# Altium PCB pcb_for_doc.PcbDoc
Units mm, origin at the board's own origin, x right, y up, seen from the top; angles counter-clockwise.
Board outline 55 x 115 mm, 2 copper layers (Top Layer, Bottom Layer), stack 3.071 mm thick; 39 components, 0 nets, 99 pads, 21 vias.
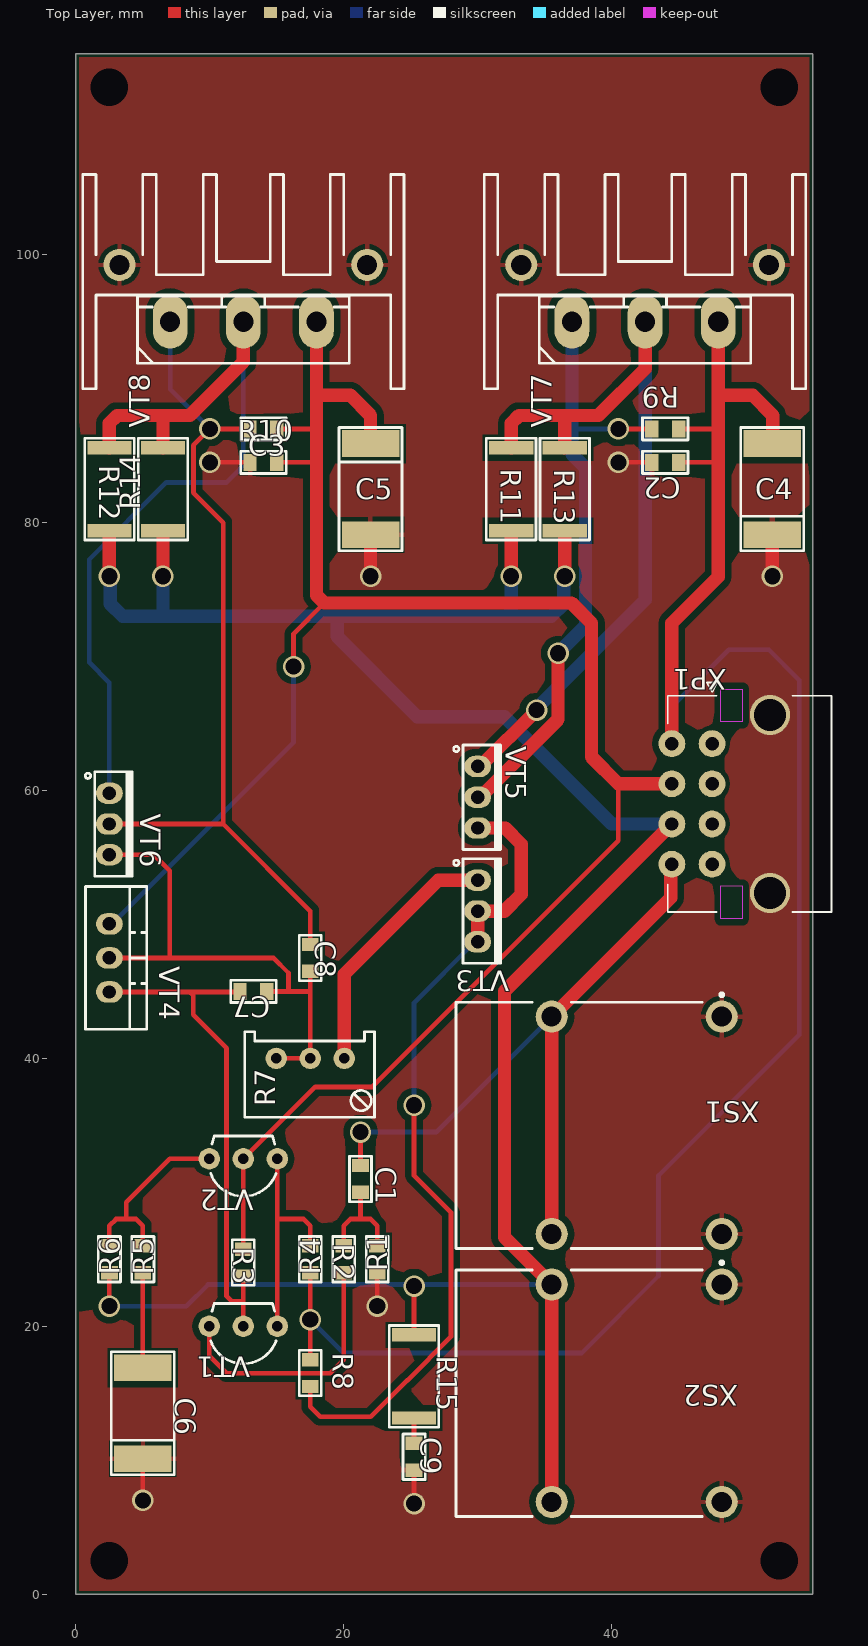
[diagram p0: Top Layer view]
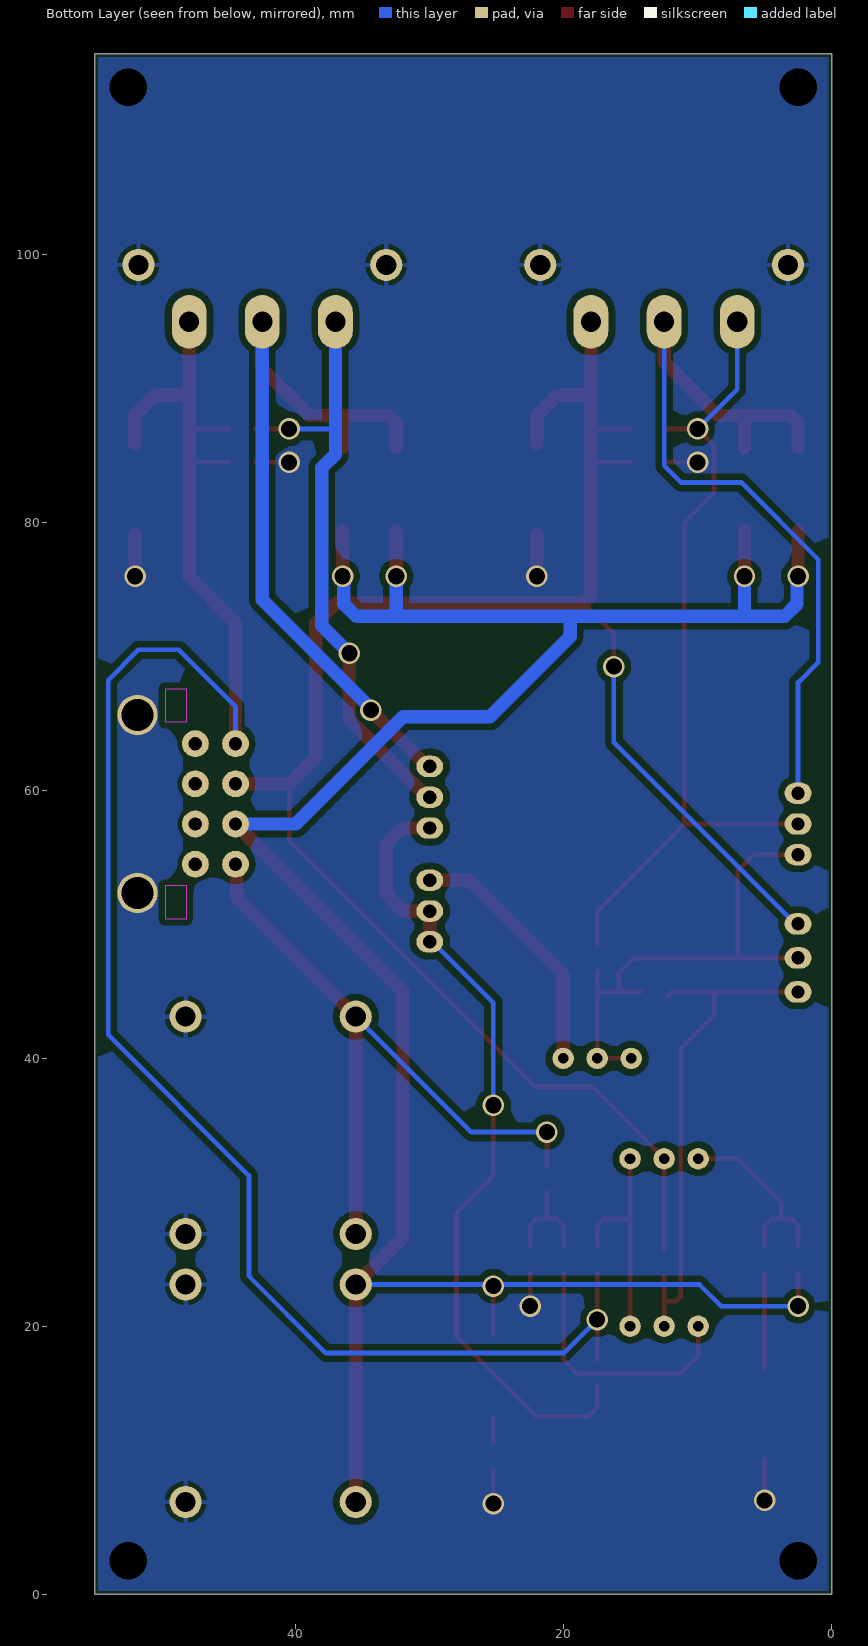
[diagram p1: Bottom Layer view, seen from below]

## Layer stack, top to bottom
Top Solder: solder mask 0.0102, Solder Resist, Dk 3.5
Top Layer: signal copper 0.0356
Dielectric 1: dielectric 3, FR-4, Dk 4.8
Bottom Layer: signal copper 0.0356
Bottom Solder: solder mask 0.0102, Solder Resist, Dk 3.5

## Board outline
0,0 0,115 55,115 55,0

## Design rules (kind name [scope] priority, off if disabled: settings)
Clearance [All] p1: gap=0.254 ignorepadtopadclearanceinfootprint=FALSE except(0: Arc-Hole Track-Hole SMDPad-Hole THPad-Hole Via-Hole Fill-Hole Poly-Hole Region-Hole Text-Hole)
PolygonConnect [All] p1: connectstyle=Relief reliefconductorwidth=0.254 reliefentries=4 polygonreliefangle="90 Angle" airgapwidth=0.254
RoutingVias [All] p1: holewidth=0.711 width=1.27 viastyle="Through Hole" minholewidth=0.711 minwidth=1.27 maxholewidth=0.711 maxwidth=1.27
SolderMaskExpansion [All] p1: expansion=0.102 istentingtop=FALSE
Width [All] p1: maxlimit=0.254 minlimit=0.254 preferedwidth=0.254
30 further rules are at their usual default settings.

## Components (designator, comment, footprint, x,y, rotation, side; value= is the part's Value field where it differs from the comment)
C1 "Capacitor" "CAP: 0805" 21.25,31 r270 top
C2 "Capacitor" "CAP: 0805" 44,84.5 r0 top
C3 "Capacitor" "CAP: 0805" 14,84.5 r180 top
C4 "Capactor polar" "CAP: TANTAL-D" 52,82.5 r90 top
C5 "Capactor polar" "CAP: TANTAL-D" 22,82.5 r270 top
C6 "Capactor polar" "CAP: TANTAL-D" 5,13.5 r90 top
C7 "Capacitor" "CAP: 0805" 13.25,45 r0 top
C8 "Capacitor" "CAP: 0805" 17.5,47.5 r90 top
C9 "Capacitor" "CAP: 0805" 25.25,10.25 r270 top
R1 "Resistor" "RES: 0805" 22.5,25 r270 top
R2 "Resistor" "RES: 0805" 20,25 r270 top
R3 "Resistor" "RES: 0805" 12.5,24.75 r90 top
R4 "Resistor" "RES: 0805" 17.5,25 r90 top
R5 "Resistor" "RES: 0805" 5,25 r270 top
R6 "Resistor" "RES: 0805" 2.5,25 r270 top
R7 "POT" POT_3296W 17.5,40 r180 top
R8 "Resistor" "RES: 0805" 17.5,16.5 r270 top
R9 "Resistor" "RES: 0805" 44,87 r0 top
R10 "Resistor" "RES: 0805" 14,87 r0 top
R11 "Resistor" "RES: 2512" 32.5,82.5 r270 top
R12 "Resistor" "RES: 2512" 2.5,82.5 r90 top
R13 "Resistor" "RES: 2512" 36.5,82.5 r270 top
R14 "Resistor" "RES: 2512" 6.5,82.5 r90 top
R15 "Resistor" "RES: 2512" 25.25,16.25 r270 top
VT1 "Transistor_PNP" TO92_3FB 12.5,20 r180 top
VT2 "Transistor_PNP" TO92_3FB 12.5,32.5 r180 top
VT3 "BD139G" TO126_3 30,51 r270 top
VT4 "BD139G" TO220_3 2.5,47.5 r270 top
VT5 "BD139G" TO126_3 30,59.5 r270 top
VT6 "Transistor_PNP" TO126_3 2.5,57.5 r270 top
VT7 "Transistor_PNP" TO247_3 42.5,95 r0 top
VT8 "BD139G" TO247_3 12.5,95 r0 top
XP1 "CONN" MOLEX_430450821 47.5,63.5 r90 top
XS1 "Audio" FP-NMJ4HFD2-MFG 45,35 r0 top
XS2 "Audio" FP-NMJ4HFD2-MFG 45,15 r0 top
ZBOAS216587106 "Слой 1" "BOASVIEWlayer:Top Layer:2:1:1:1" 55,2212.5 r0 top (schematic designator fewf)
ZBOAS767796161 "Comment" "BOASVIEWside:Вид платы слева:2:0:0:0" 195,2442.5 r0 top
ZBOAS925187106 "Слой 2" "BOASVIEWlayer:Bottom Layer:2:-2:32:1" 235,2212.5 r180 top (schematic designator fewf)
ZBOAS1584698425 "Comment" "BOASVIEWdrill:Таблица отверстий:0:0:0:0" 400,2500 r0 top

## Footprints (in the part's own frame and the unit in brackets; to place one, negate y for a bottom-side part, rotate by r counter-clockwise, add the part's x,y. Pads: shape width x height; smd on the part's side, far side on the other; paste and mask are expansions set on the pad)
"BOASVIEWdrill:Таблица отверстий:0:0:0:0" [mm]
"BOASVIEWlayer:Bottom Layer:2:-2:32:1" [mm]
"BOASVIEWlayer:Top Layer:2:1:1:1" [mm]
"BOASVIEWside:Вид платы слева:2:0:0:0" [mm]
"CAP: 0805" [mm] "CAP, POLYESTER, 10X5.5mm pitch: 7.6mm"
  rect 1x1.25 smd: 1(-1,0) 2(1,0)
  silkscreen extent -1.7,-0.82 1.7,0.82, body extent -1,-0.62 1,0.63, height 0.78
"CAP: TANTAL-D" [mm] "Cap Elec, D12.0X25.0H pitch: 5.0mm, RB.2/.5"
  rect 2x4.3 smd: 1(-3.4,0) 2(3.4,0)
  silkscreen extent -4.6,-2.35 4.6,2.35, body extent -3.7,-2.22 3.7,2.23, height 3.01
FP-NMJ4HFD2-MFG [mm]
  round 2.4 hole 1.5: 1(-9.475,-8.115) 1(-9.475,8.115) 2(3.225,-8.115) 2(3.225,8.115)
  silkscreen extent -16.63,-9.2 3.35,9.87, body extent -16.73,-9.3 16.73,9.3, height 0.25
MOLEX_430450821 [mm]
  round 3 hole 2.4 mask+0.076: 1(-11.15,-4.32) 1(2.15,-4.32)
  round 2 hole 1: 1(-9,3) 2(-9,0) 3(-6,3) 4(-6,0) 5(-3,3) 6(-3,0) 7(0,3) 8(0,0)
  Keep-Out Layer region: 4.075,-2.26 1.625,-2.26 1.625,-0.66 4.075,-0.66
  Keep-Out Layer region: -10.625,-2.26 -13.075,-2.26 -13.075,-0.66 -10.625,-0.66
  silkscreen extent -12.57,-8.92 4.57,3.32, body extent -12.62,-8.92 3.58,3.32, height 9.27
POT_3296W [mm] "POT, TRIM, 10.0X5.0mm, pitch: 2.5mm 3299W 3296W S64W"
  round 1.6 hole 0.8: 1(-2.54,0) 2(0,0) 3(2.54,0)
  silkscreen extent -4.8,-2 4.9,4.4, body extent -4.73,-1.85 4.8,4.25, height 11.56
"RES: 0805" [mm] "RESISTOR 1/8 WATT, AXIAL0.25"
  rect 1x1.25 smd: 1(-1,0) 2(1,0)
  silkscreen extent -1.7,-0.82 1.7,0.82, body extent -1,-0.6 1,0.6, height 0.44
"RES: 2512" [mm]
  rect 1x3.3 smd: 1(-3.1,0) 2(3.1,0)
  silkscreen extent -3.8,-1.85 3.8,1.85, body extent -3.18,-1.6 3.18,1.6, height 0.52
TO92_3FB [mm] "TO-92 formed leads, TO-226, SOT54A"
  round 1.6 hole 0.8: 1(-2.54,0) 2(0,0) 3(2.54,0)
  silkscreen extent -2.44,-1.7 2.44,2.8, body extent -2.75,-1.85 2.75,2.5, height 8.2
TO126_3 [mm] "TO126, TO-126, SOT32 (PHIPLIPS), pitch: 2.3mm, 8X3mm"
  oval 1.6x2 hole 1: 1(-2.3,0) 2(0,0) 3(2.3,0)
  silkscreen extent -3.9,-1.8 3.9,1.7, body extent -3.8,-1 3.8,1.55, height 13.19
TO220_3 [mm] "TO-220 3 LEAD, TO-262, pitch: 2.54mm  10x4.5mm"
  oval 1.6x2 hole 1: 1(-2.54,0) 2(0,0) 3(2.54,0)
  silkscreen extent -5.33,-1.78 5.33,2.79, body extent -5.2,-1.85 5.2,2.65, height 19
TO247_3 [mm] "TO247, TO-247, TO-3P pitch: 5.5mm 16x5mm, TO-218"
  oval 2.6x4 hole 1.5: 1(5.461,0) 2(0,0) 3(-5.461,0)
  round 2.4 hole 1.5: 4(-9.25,4.25) 4(9.25,4.25)
  silkscreen extent -12,-5 12,11, body extent -12,-5 12,11, height 25

## Part data
R1 R2 R3 R4 R5 R6 R8 R9 R10 R11 R12 R13 R14 R15: Case Code (Imperial)=2512, Case Code (Metric)=6432, Max Operating Temperature=125°C, Max Power Dissipation=1W, Min Operating Temperature=-55°C, Package Quantity=1, Resistance=51R, Resistor Type="Thick Film", Temperature Coefficient=200ppm/°C, Tolerance=5%, Voltage Rating (DC)=200V, Case/Package=2512, Height=0.028inch, Lead Free="Lead Free", Length=0.248inch, Mount="Surface Mount", Number of Terminations=2, Packaging="Tape and Reel", Power Rating=1W, RoHS Compliant=Yes, Series=MCR, Size Code=2512, Width=0.126inch
VT3 VT4 VT5 VT8: library part Transistor_NPN, Case/Package=TO-225, Collector Base Voltage (VCBO)=80V, Collector Emitter Saturation Voltage=500mV, Current Rating=1.5A, Emitter Base Voltage (VEBO)=5V, Manufacturer Lifecycle Status=ACTIVE, Max Junction Temperature (Tj)=150°C, Max Power Dissipation=1.25W, Min Operating Temperature=-55°C, Collector Emitter Breakdown Voltage=80V, Collector Emitter Voltage (VCEO)=80V, Contact Plating=Tin, Element Configuration=Single, Height=11.04mm, hFE Min=25, Lead Free="Lead Free", Length=7.74mm, Lifecycle Status=Production, Max Collector Current=1.5A, Max Operating Temperature=150°C, NexarPartId=354669, Number of Elements=1, Number of Pins=3, Packaging=Bulk, Polarity=NPN, Power Dissipation=1.25W, Radiation Hardening=No, REACH SVHC="No SVHC", RoHS=Compliant, Schedule B="8541290080, 8541290080|8541290080, 8541290080|8541290080|8541290080, 8541290080|8541290080|8541290080|8541290080", Voltage Rating (DC)=80V, Weight=4.535924g, Width=2.66mm

## Free pads (board coordinates)
  round 2.2 hole 2.8: 0(2.5,2.5) 0(2.5,112.5) 0(52.5,2.5) 0(52.5,112.5)

## Via types
v1: diameter 1.6, hole 1.2, Top Layer to Bottom Layer, 21 vias

## Nets (pads, with @x,y where several pads share a name; then routed paths per layer and width w, separated by ;. In a path a pad name is that pad's centre, name@x,y a point inside that pad or via, vN(x,y) a via of type N, cw(c..) or ccw(c..) an arc to the next point about the centre after c; other vN are vias at no path point)
pads on no net: C1.1 C1.2 C2.1 C2.2 C3.1 C3.2 C4.1 C4.2 C5.1 C5.2 C6.1 C6.2 C7.1 C7.2 C8.1 C8.2 C9.1 C9.2 R1.1 R1.2 R2.1 R2.2 R3.1 R3.2 R4.1 R4.2 R5.1 R5.2 R6.1 R6.2 R7.1 R7.2 R7.3 R8.1 R8.2 R9.1 R9.2 R10.1 R10.2 R11.1 R11.2 R12.1 R12.2 R13.1 R13.2 R14.1 R14.2 R15.1 R15.2 VT1.1 VT1.2 VT1.3 VT2.1 VT2.2 VT2.3 VT3.1 VT3.2 VT3.3 VT4.1 VT4.2 VT4.3 VT5.1 VT5.2 VT5.3 VT6.1 VT6.2 VT6.3 VT7.1 VT7.2 VT7.3 VT7.4 VT8.1 VT8.2 VT8.3 VT8.4 XP1.1 XP1.2 XP1.3 XP1.4 XP1.5 XP1.6 XP1.7 XP1.8 XS1.1 XS1.2 XS2.1 XS2.2
copper on no net: | length 1009.4
  Top Layer w0.35: v1(2.5,21.5) 2.5,24 ; 2.5,26 2.5,27.5 3,28 3.75,28 ; 2.5,44.96 2.51,44.95 8.5,44.95 ; 2.5,47.5 7,47.5 ; 2.5,55.2 5.8,55.2 7,54 7,47.5 ; 2.5,57.5 11,57.5 ; v1(5,7) 5,10.1 ; 5,16.9 5,24 ; 5,26 5,27.5 4.5,28 3.75,28 ; 9.96,20 9.96,17.79 11.25,16.5 19,16.5 20,17.5 20,24 ; 9.96,32.5 7,32.5 3.75,29.25 3.75,28 ; v1(10,84.5) 12.5,84.5 ; 12.25,44.625 11.925,44.95 8.5,44.95 ; 12.5,20 12.5,21.875 ; 12.5,23.75 12.5,21.875 ; 12.5,25.75 12.5,32.5 17.87,37.87 22.12,37.87 40.5,56.25 40.5,60.5 ; 12.5,87 v1(10,87) 8.775,85.775 8.775,82.225 11,80 11,57.5 ; 14.25,45 15.875,45 ; 14.96,40 17.5,40 17.5,45 ; 15,84.5 17.961,84.5 ; 15,87 17.961,87 ; 15.04,20 15.04,28 ; 15.04,32.5 15.04,28 ; v1(16.25,69.25) 16.25,71.703 18.547,74 ; 17.5,15.5 17.5,14 18.25,13.25 22,13.25 24.691,15.941 24.734,15.941 28,19.208 28,28.5 25.25,31.25 v1(25.25,36.5) ; 17.5,17.5 v1(17.5,20.5) 17.5,24 ; 17.5,26 17.5,27.5 17,28 15.04,28 ; 17.5,46.5 17.5,45 ; 17.5,48.5 17.5,51 11,57.5 ; 20,26 20,27.5 20.5,28 21.25,28 ; 21.25,30 21.25,28 ; 21.25,32 v1(21.25,34.5) ; v1(22.5,21.5) 22.5,24 ; 22.5,26 22.5,27.5 22,28 21.25,28 ; v1(25.25,6.75) 25.25,9.25 ; 25.25,11.25 25.25,13.15 ; 25.25,19.35 v1(25.25,23) ; v1(40.5,84.5) 43,84.5 ; v1(40.5,87) 43,87 ; 45,84.5 47.961,84.5 ; 45,87 47.961,87 ; 7,47.5 14.75,47.5 15.875,46.375 15.875,45 ; 8.5,44.95 8.75,44.7 8.75,43.25 11.25,40.75 11.25,36.25 11.25,22.25 11.625,21.875 12.5,21.875 ; 15.875,45 17.5,45
  Top Layer w1: v1(2.5,76) 2.5,79.4 ; 2.5,85.6 2.5,87.414 3.086,88 6.543,88 ; v1(6.5,76) 6.5,79.4 ; 6.5,85.6 6.5,87.957 6.543,88 ; 12.5,95 12.5,92 8.5,88 6.543,88 ; 17.961,95 17.961,89.5 ; 20.04,40 20.04,46.29 27.05,53.3 30,53.3 ; v1(22,76) 22,79.1 ; 22,85.9 22,88 20.5,89.5 17.961,89.5 ; 30,48.7 30,51 32,51 33.25,52.25 33.25,56 32.05,57.2 30,57.2 ; 30,61.8 30.2,61.8 v1(34.4,66) ; 30.2,59.5 36,65.3 v1(36,70.25) ; v1(32.5,76) 32.5,79.4 ; 32.5,85.6 32.5,87.414 33.086,88 39,88 42.5,91.5 42.5,95 ; 35.525,6.885 35.525,23.115 32,26.64 32,45 44.5,57.5 ; 35.525,26.885 35.525,43.115 44.41,52 44.41,54.41 44.5,54.5 ; v1(36.5,76) 36.5,79.4 ; 36.5,85.6 36.5,87.957 ; 44.5,60.5 40.5,60.5 38.5,62.5 38.5,72.5 37,74 18.547,74 17.961,74.586 17.961,89.5 ; 44.5,63.5 44.5,72.5 47.961,75.961 47.961,84.5 47.961,87 47.961,95 ; 48,89.5 50.539,89.5 52.039,88 52.039,85.9 ; v1(52,76) 52,79.1
  Bottom Layer w0.35: v1(2.5,21.5) 8.25,21.5 9.865,23.115 35.525,23.115 ; 2.5,50.04 2.7,50.04 16.25,63.59 v1(16.25,69.25) ; 2.5,59.8 2.5,68.064 1,69.564 1,77.25 6.75,83 11.25,83 12.5,84.25 12.5,95 ; 7.039,95 7.039,89.961 v1(10,87) ; v1(17.5,20.5) 20,18 37.75,18 43.5,23.75 43.5,31.25 54,41.75 54,68.25 51.75,70.5 48.75,70.5 44.5,66.25 44.5,63.5 ; v1(21.25,34.5) 26.91,34.5 35.525,43.115 ; v1(25.25,36.5) 25.25,44.15 29.8,48.7 30,48.7 ; 37.039,87.211 37.25,87 v1(40.5,87)
  Bottom Layer w1: v1(2.5,76) 2.577,75.923 2.577,73.923 3.5,73 6.5,73 ; v1(6.5,76) 6.5,73 ; v1(32.5,76) 32.5,73 ; v1(34.4,66) 34.4,66.15 42.5,74.25 42.5,95 ; v1(36,70.25) 38.05,72.3 38.05,84.107 37.039,85.118 37.039,87.211 37.039,95 ; v1(36.5,76) 36.423,75.923 36.423,73.923 35.5,73 32.5,73 ; 44.5,57.5 40,57.5 32,65.5 25.5,65.5 19.5,71.5 19.5,73 ; 6.5,73 19.5,73 ; 19.5,73 32.5,73

## Polygon pours and split planes (outlines as drawn)
no net on Top Layer "NONET_L01_P001" (solid, remove dead copper, pour order 1): 0,115 55,115 55,0 0,0
no net on Bottom Layer "NONET_L02_P002" (solid, remove dead copper, pour order 2): 0,115 55,115 55,0 0,0

## Silkscreen, mask and mechanical layers (free items; w line width, h text height)
Mechanical 1:
  the board outline again, w0.5
Mechanical 7:
  text "BOASFORMAT|А2|1|0|834645670|233858267|1000000000|2:1|" at 0,2540 h0
  text "ИУ4.11.ОЗ.ОЗ.21.73.16.002" at 85.052,2529.974 h7 r180
  text "DimV|0|-90551181|64960630|961614173|3937008|-47244094|2||||js12|False|True|False|False|2" at 165,2442.5 h0
  text "DimH|-43307087|0|64960630|961614173|-20669291|3937008|2||±0,3||js12|False|True|False|False|2" at 165,2442.5 h0
  text "DimH|-43307087|0|64960630|961614173|-21653543|3937008|2||||js12|True|False|False|False|2" at 165,2442.5 h0
  text "DimH|-2434204|0|79205859|961614174|-14245229|4133857|2||±0,3||js12|False|False|False|False|2" at 201.183,2442.5 h0
  text "DimH|-2362204|0|79133858|961417323|-1377952|4133858|2||±0,3||js12|False|False|False|False|2" at 201,2442 h0
  text "ИУ4.11.ОЗ.ОЗ.21.73.16.002" at 17.776,2363.059 h5 r90
  text "1. Общие допуски формы и расположения - 30893.2-2002 - Н.   / 2. Шаг координатной сетки О,25мм ГОСТ Р 51040-97   / 3. Плату изготовить комбинированным позитивным методом. / 4. Класс точности платы по ГОСТ Р 53429-2009 - 2.   / 5. Параметры отверстий платы приведеены в таблице 1.   / 6. Плата должна соответствовать ГОСТ 23752-79, группа жесткости - 1.   / 7. Финишное покрытие метализированных поверхностей меди по ГОСТ 9.301-86 толщиной не более 500мкм флюсом ЛТИ-120 ГОСТ 19250-73 и припоем ПОС-61 ГОСТ 21930-76.  / 8. Контроль функциональный ручным методом по ГОСТ 23752.1-92.  / 9. Остальные технические требования по ОСТ 4 ГО.О70.О14-75." at 404,2185 h5
  text "ИУ4.11.ОЗ.ОЗ.21.73.16.002" at 487.426,2170.037 h10
  text "Круглов В. С." at 400.262,2150 h4.5
  text "УМЗЧ на биполярных транзисторах" at 472.762,2150 h7
  text "СеливановК.В." at 400.332,2145.641 h4.5
  text "Плата печатная" at 472.762,2145 h5
  text "Стеклотекстолит FR4-T!Jl35 IPC-4/al/21" at 471.966,2128.097 h5
  text "МГТУ им. Н. Э. Баумана / Кафедра ИУ4 / Группа ИУ4-73Б" at 531.25,2125.974 h5
  text "SET2|Superlayer=MechanicalLayer7|Wsuperlayer=MechanicalLayer8|Layergrid=MechanicalLayer9|Werase=MechanicalLayer11|Layermark=MechanicalLayer12|Layerstamp=MechanicalLayer13|Gridline=0,18|Boardline=0,5|Contourpolygonline=0,3|PcbGridStep=1|PcbGridNumbering=False|PcbGridCleareanceAtView=0|PcbGridNumberEach=l5|PcbGridLineEach=l2|PcbGridCountSecondaryStrip=1|PcbGridEnabledStrip=True|PcbGridHorizontal90=False|PcbGridWhiteAreaBeforeText=True|PcbSignalGridEnabled=True|PcbSignalShowBukva=True|RealSignalLayerNames=False|PcbGridTextsEnabledBothSide=l2|PcbGridEnabledBothSide=l2|PcbPolarGridEnabled=False|PcbPolarGridAngleStep=10|PcbPolarGridRadialStep=10|PcbPolarGridCenterPcbGrid=False|SilkShowPad=True|SilkViewName=Слой маркировки|SilkShowHole=True|SilkShowAxis=True|SilkShowBukva=True|SilkShowGrid=False|SolderShowGrid=False|SolderViewName=Слой маски|SolderShowAxis=False|SolderShowBukva=False|MainViewShowGrid=False|MainViewMinDiameterHoles=2|MainViewUseShapesDrill=False|ShowBukvaOnSboky=True|ShowBukvaViews=True|Density=2,2|CustomHoleSizeFactor=1|PcbDoubleLineHeader=False|PcbAccuracy=a4|TableName=Таблица 1|RazrezWidth=100|RealLayerNames=False|RazrezShowBukva=False|RazrezBukva=В-В|Sher=Rz 25|Asstoplayer=MechanicalLayer1|Asstoplayer2=None|Assbottomlayer=MechanicalLayer2|Assbottomlayer2=None|AssMinDiameterHoles=2|AssDim=False|AssMech=False|AssSilk=False|AssComponentSilk=False|AssFreeSilk=False|AssSmdPads=False|AssGridEnable=False|AssShowBukva=True|Mirror=Horisontal|PcbGridFontSize=3,5|PcbGridCenterZero=False|TTStampDistance=12|MainFontSize=5|PolyShtrihEnable=True|RegionShtrihEnable=False|PolyStep=2|PcbDrillDrawingGridEnabled=False|PcbDrillDrawingViewName=Слой сверловки|PcbDrillDrawingShowBukva=False|PcbDrillDrawingShowAxis=False|PcbSignalLayersUseDrill=True|PcbSignalLayersUseWhiteHoles=True|PcbSignalLayersUseShapesDrill=True|PcbSignalLayersShowAxis=True|Thinline=0,18|Basicline=0,6" at 0,0.025 h0
  text "BOASVIADRILLTABLE:circle0001,472441,21," at 0,0 h0
  text "2BOASDRILLTABLE:circle0010,314961,Да,9,True,|circle0011,393701,Да,20,True,|circle0100,590551,Да,18,True,|circle0101,944882,Да,2,True,|circle1011,1102362,Да,4,True," at 0,0 h0
Mechanical 8:
  region: 175.092,2212.592 175.739,2214.285 176.23,2217.999 175.096,2218 175.095,2217.068 175.658,2217.5 175.003,2212.593
  region: 174.908,2212.592 174.261,2214.285 173.77,2217.999 174.904,2218 174.905,2217.068 174.342,2217.5 174.997,2212.593
  region: 174.908,2442.408 174.261,2440.715 173.77,2437.001 174.904,2437 174.905,2437.932 174.342,2437.5 174.997,2442.407
  region: 175.092,2442.408 175.739,2440.715 176.23,2437.001 175.096,2437 175.095,2437.932 175.658,2437.5 175.003,2442.407
  region: 55.092,2452.408 56.785,2451.761 60.499,2451.27 60.5,2452.404 59.568,2452.405 60,2451.842 55.093,2452.497
  region: 55.092,2452.592 56.785,2453.239 60.499,2453.73 60.5,2452.596 59.568,2452.595 60,2453.158 55.093,2452.503
  region: 164.908,2452.592 163.215,2453.239 159.501,2453.73 159.5,2452.596 160.432,2452.595 160,2453.158 164.907,2452.503
  region: 164.908,2452.408 163.215,2451.761 159.501,2451.27 159.5,2452.404 160.432,2452.405 160,2451.842 164.907,2452.497
  region: 201.092,2452.408 202.785,2451.761 206.499,2451.27 206.5,2452.404 205.568,2452.405 206,2451.842 201.093,2452.497
  region: 201.092,2452.592 202.785,2453.239 206.499,2453.73 206.5,2452.596 205.568,2452.595 206,2453.158 201.093,2452.503
  region: 194.908,2452.592 193.215,2453.239 189.501,2453.73 189.5,2452.596 190.432,2452.595 190,2453.158 194.907,2452.503
  region: 194.908,2452.408 193.215,2451.761 189.501,2451.27 189.5,2452.404 190.432,2452.405 190,2451.842 194.907,2452.497
Mechanical 9:
  region: 175,2212.5 174.342,2217.5 175,2217 175.658,2217.5
  region: 175,2442.5 175.658,2437.5 175,2438 174.342,2437.5
  region: 55,2452.5 60,2453.158 59.5,2452.5 60,2451.842
  region: 165,2452.5 160,2451.842 160.5,2452.5 160,2453.158
  region: 201,2452.5 206,2453.158 205.5,2452.5 206,2451.842
  region: 195,2452.5 190,2451.842 190.5,2452.5 190,2453.158
  lines w0.18: 55,2442.5 55,2453.5 ; 55,2452.5 165,2452.5 ; 165,2212.5 176,2212.5 ; 165,2453.5 165,2442.5 176,2442.5 ; 171.957,2452.5 209,2452.5 ; 175,2212.5 175,2442.5 ; 195,2442 195,2453.5 ; 201,2442 201,2453.5
  text "55±0,15" at 96.696,2455.03 h7.68
  text "3" at 176.077,2455.03 h7.68
  text "±0,3" at 178.984,2455.03 h7.68
  text "115±0,175" at 172.47,2317.696 h7.68 r90
Top 3D Body:
  lines w0.18: 404,2130 469,2130 ; 404,2135 469,2135 ; 404,2140 469,2140 ; 404,2145 469,2145 ; 404,2150 469,2150 ; 404,2165 469,2165 ; 404,2170 469,2170 ; 404,2175 469,2175 ; 543.96,2145 543.96,2160 ; 548.98,2145 548.98,2160 ; 565.7,2522.1 568.8,2516.7 574.4,2526.5 ; 0,2120 594,2120 594,2540 0,2540 0,2120
  lines w0.6: 8,2150 20,2150 ; 8,2185 20,2185 ; 8,2210 20,2210 ; 8,2235 20,2235 ; 8,2352 20,2352 ; 13,2125 13,2270 ; 13,2292 13,2412 ; 20,2270 8,2270 8,2125 20,2125 ; 20,2292 8,2292 8,2412 20,2412 ; 20,2521 90,2521 90,2535 ; 404,2125 404,2180 589,2180 ; 404,2155 469,2155 ; 404,2160 469,2160 ; 411,2155 411,2180 ; 421,2125 421,2180 ; 444,2125 444,2180 ; 459,2125 459,2180 ; 469,2125 469,2180 589,2180 ; 469,2140 539,2140 589,2140 ; 469,2165 589,2165 ; 526,2524 531,2515 538.6,2529 ; 538.7,2529 581,2529 ; 539,2125 539,2165 ; 539,2145 589,2145 ; 539,2160 554,2160 589,2160 ; 554,2145 554,2165 ; 559.57,2140 559.57,2145 ; 571,2145 571,2165 ; 589,2188 589,2180 ; 20,2125 589,2125 589,2535 20,2535 20,2125
  text "Rz 25" at 538.7,2516.7 h10.75
  text "(" at 562,2516.7 h10.75
  text ")" at 573,2516.7 h10.75
  text "Перв. примен." at 12.038,2371.979 h5.38 r90
  text "Справ. №" at 12.038,2314.504 h5.38 r90
  text "Подп. и дата" at 12.038,2242.571 h5.38 r90
  text "Инв. № дубл." at 12.038,2213.086 h5.38 r90
  text "Взам. инв. №" at 12.038,2188.108 h5.38 r90
  text "Лит." at 543.194,2160.962 h5.38
  text "Масса" at 557.916,2160.962 h5.38
  text "Масштаб" at 572.836,2160.962 h5.38
  text "Подп. и дата" at 12.038,2158.071 h5.38 r90
  text "Изм." at 404.569,2155.962 h5.38
  text "Лист" at 411.858,2155.962 h5.38
  text "№ докум." at 426,2155.962 h5.38
  text "Подп." at 447.773,2155.962 h5.38
  text "Дата" at 459.793,2155.962 h5.38
  text "Разраб." at 404.533,2150.771 h5.38
  text "2:1" at 576.787,2150.303 h7.68
  text "Пров." at 404.533,2145.771 h5.38
  text "Т.контр." at 404.533,2140.771 h5.38
  text "Лист" at 540.442,2140.771 h5.38
  text "Листов" at 561.485,2140.771 h5.38
  text "1" at 581.4,2140.771 h5.38
  text "Н.контр." at 404.533,2130.771 h5.38
  text "Инв. № подл." at 12.038,2128.086 h5.38 r90
  text "Утв." at 404.533,2125.771 h5.38
  text "Копировал" at 479.533,2120.771 h5.38
  text "Формат А2" at 560.121,2120.771 h5.38

## Text inside footprints (layer, text, board x,y; h text height)
ZBOAS216587106: Mechanical 7 "55" at 162.687,2205.686 h6.12; Mechanical 7 "50" at 152.653,2205.686 h6.12; Mechanical 7 "45" at 142.69,2205.686 h6.12; Mechanical 7 "40" at 132.656,2205.686 h6.12; Mechanical 7 "35" at 122.687,2205.686 h6.12; Mechanical 7 "30" at 112.653,2205.686 h6.12; Mechanical 7 "25" at 102.562,2205.686 h6.12; Mechanical 7 "20" at 92.528,2205.686 h6.12; Mechanical 7 "15" at 83.313,2205.686 h6.12; Mechanical 7 "10" at 73.279,2205.686 h6.12; Mechanical 7 "5" at 63.688,2205.686 h6.12; Mechanical 7 "0" at 53.744,2205.686 h6.12; Mechanical 7 "115" at 46.124,2440.748 h6.12; Mechanical 7 "110" at 46.056,2430.748 h6.12; Mechanical 7 "105" at 45.376,2420.748 h6.12; Mechanical 7 "100" at 45.308,2410.748 h6.12; Mechanical 7 "95" at 46.623,2400.748 h6.12; Mechanical 7 "90" at 46.555,2390.748 h6.12; Mechanical 7 "85" at 46.306,2380.748 h6.12; Mechanical 7 "80" at 46.238,2370.748 h6.12; Mechanical 7 "75" at 46.873,2360.748 h6.12; Mechanical 7 "70" at 46.805,2350.748 h6.12; Mechanical 7 "65" at 46.306,2340.748 h6.12; Mechanical 7 "60" at 46.238,2330.748 h6.12; Mechanical 7 "55" at 46.374,2320.748 h6.12; Mechanical 7 "50" at 46.306,2310.748 h6.12; Mechanical 7 "45" at 46.38,2300.748 h6.12; Mechanical 7 "40" at 46.312,2290.748 h6.12; Mechanical 7 "35" at 46.374,2280.748 h6.12; Mechanical 7 "30" at 46.306,2270.748 h6.12; Mechanical 7 "25" at 46.124,2260.748 h6.12; Mechanical 7 "20" at 46.056,2250.748 h6.12; Mechanical 7 "15" at 47.627,2240.748 h6.12; Mechanical 7 "10" at 47.559,2230.748 h6.12; Mechanical 7 "5" at 48.375,2220.748 h6.12; Mechanical 7 "0" at 48.489,2210.748 h6.12
ZBOAS925187106: Mechanical 7 "55" at 232.687,2205.686 h6.12; Mechanical 7 "50" at 242.653,2205.686 h6.12; Mechanical 7 "45" at 252.69,2205.686 h6.12; Mechanical 7 "40" at 262.656,2205.686 h6.12; Mechanical 7 "35" at 272.687,2205.686 h6.12; Mechanical 7 "30" at 282.653,2205.686 h6.12; Mechanical 7 "25" at 292.562,2205.686 h6.12; Mechanical 7 "20" at 302.528,2205.686 h6.12; Mechanical 7 "15" at 313.313,2205.686 h6.12; Mechanical 7 "10" at 323.279,2205.686 h6.12; Mechanical 7 "5" at 333.688,2205.686 h6.12; Mechanical 7 "0" at 343.744,2205.686 h6.12; Mechanical 7 "115" at 349,2440.748 h6.12; Mechanical 7 "110" at 349,2430.748 h6.12; Mechanical 7 "105" at 349,2420.748 h6.12; Mechanical 7 "100" at 349,2410.748 h6.12; Mechanical 7 "95" at 349,2400.748 h6.12; Mechanical 7 "90" at 349,2390.748 h6.12; Mechanical 7 "85" at 349,2380.748 h6.12; Mechanical 7 "80" at 349,2370.748 h6.12; Mechanical 7 "75" at 349,2360.748 h6.12; Mechanical 7 "70" at 349,2350.748 h6.12; Mechanical 7 "65" at 349,2340.748 h6.12; Mechanical 7 "60" at 349,2330.748 h6.12; Mechanical 7 "55" at 349,2320.748 h6.12; Mechanical 7 "50" at 349,2310.748 h6.12; Mechanical 7 "45" at 349,2300.748 h6.12; Mechanical 7 "40" at 349,2290.748 h6.12; Mechanical 7 "35" at 349,2280.748 h6.12; Mechanical 7 "30" at 349,2270.748 h6.12; Mechanical 7 "25" at 349,2260.748 h6.12; Mechanical 7 "20" at 349,2250.748 h6.12; Mechanical 7 "15" at 349,2240.748 h6.12; Mechanical 7 "10" at 349,2230.748 h6.12; Mechanical 7 "5" at 349,2220.748 h6.12; Mechanical 7 "0" at 349,2210.748 h6.12
ZBOAS1584698425: Mechanical 12 "-" at 502.677,2433.792 h7.68; Mechanical 12 "Да" at 544.05,2433.792 h7.68; Mechanical 12 "2,8" at 454.006,2433.792 h7.68; Mechanical 12 "4" at 573.466,2433.792 h7.68; Mechanical 12 "3,0" at 500.373,2442.744 h7.68; Mechanical 12 "Да" at 544.05,2442.744 h7.68; Mechanical 12 "2,4" at 454.343,2442.744 h7.68; Mechanical 12 "2" at 572.901,2442.744 h7.68; Mechanical 12 "2,6" at 500.416,2453.1 h7.68; Mechanical 12 "Да" at 544.05,2453.1 h7.68; Mechanical 12 "1,5" at 454.912,2453.1 h7.68; Mechanical 12 "18" at 572.499,2453.1 h7.68; Mechanical 12 "1,6" at 501.358,2462.803 h7.68; Mechanical 12 "Да" at 544.05,2462.803 h7.68; Mechanical 12 "1" at 456.643,2462.803 h7.68; Mechanical 12 "20" at 571.479,2462.803 h7.68; Mechanical 12 "1,6" at 501.358,2470.803 h7.68; Mechanical 12 "Да" at 544.05,2470.803 h7.68; Mechanical 12 "0,8" at 454.119,2470.803 h7.68; Mechanical 12 "9" at 573.203,2470.803 h7.68; Mechanical 12 "1,6" at 501.358,2478.803 h7.68; Mechanical 12 "Да" at 544.05,2478.803 h7.68; Mechanical 12 "1,2" at 454.88,2478.803 h7.68; Mechanical 12 "21" at 571.838,2478.803 h7.68; Mechanical 12 "отв." at 570.242,2486.553 h7.68; Mechanical 12 "Кол." at 570.463,2494.053 h7.68; Mechanical 12 "металлизации" at 531.115,2486.553 h7.68; Mechanical 12 "Наличие" at 538.032,2494.053 h7.68; Mechanical 12 "площадки, мм" at 488.81,2486.553 h7.68; Mechanical 12 "Диаметр контактной" at 479.5,2494.053 h7.68; Mechanical 12 "мм" at 455.986,2486.553 h7.68; Mechanical 12 "Диаметр отв.," at 443.533,2494.053 h7.68; Mechanical 12 "обозначение отв." at 401.114,2486.553 h7.68; Mechanical 12 "Условное" at 409.73,2494.053 h7.68; Mechanical 12 "Таблица 1" at 400,2501.5 h7.68